# Altium PCB CL-AHU-V1.1.pcbdoc (part 3 of 5)
Units mil, origin at the board's own origin, x right, y up, seen from the top; angles counter-clockwise.
Board outline 12846.15 x 9153.85 mil, 2 copper layers (TopLayer, BottomLayer); 143 components, 181 nets, 607 pads, 3157 vias.
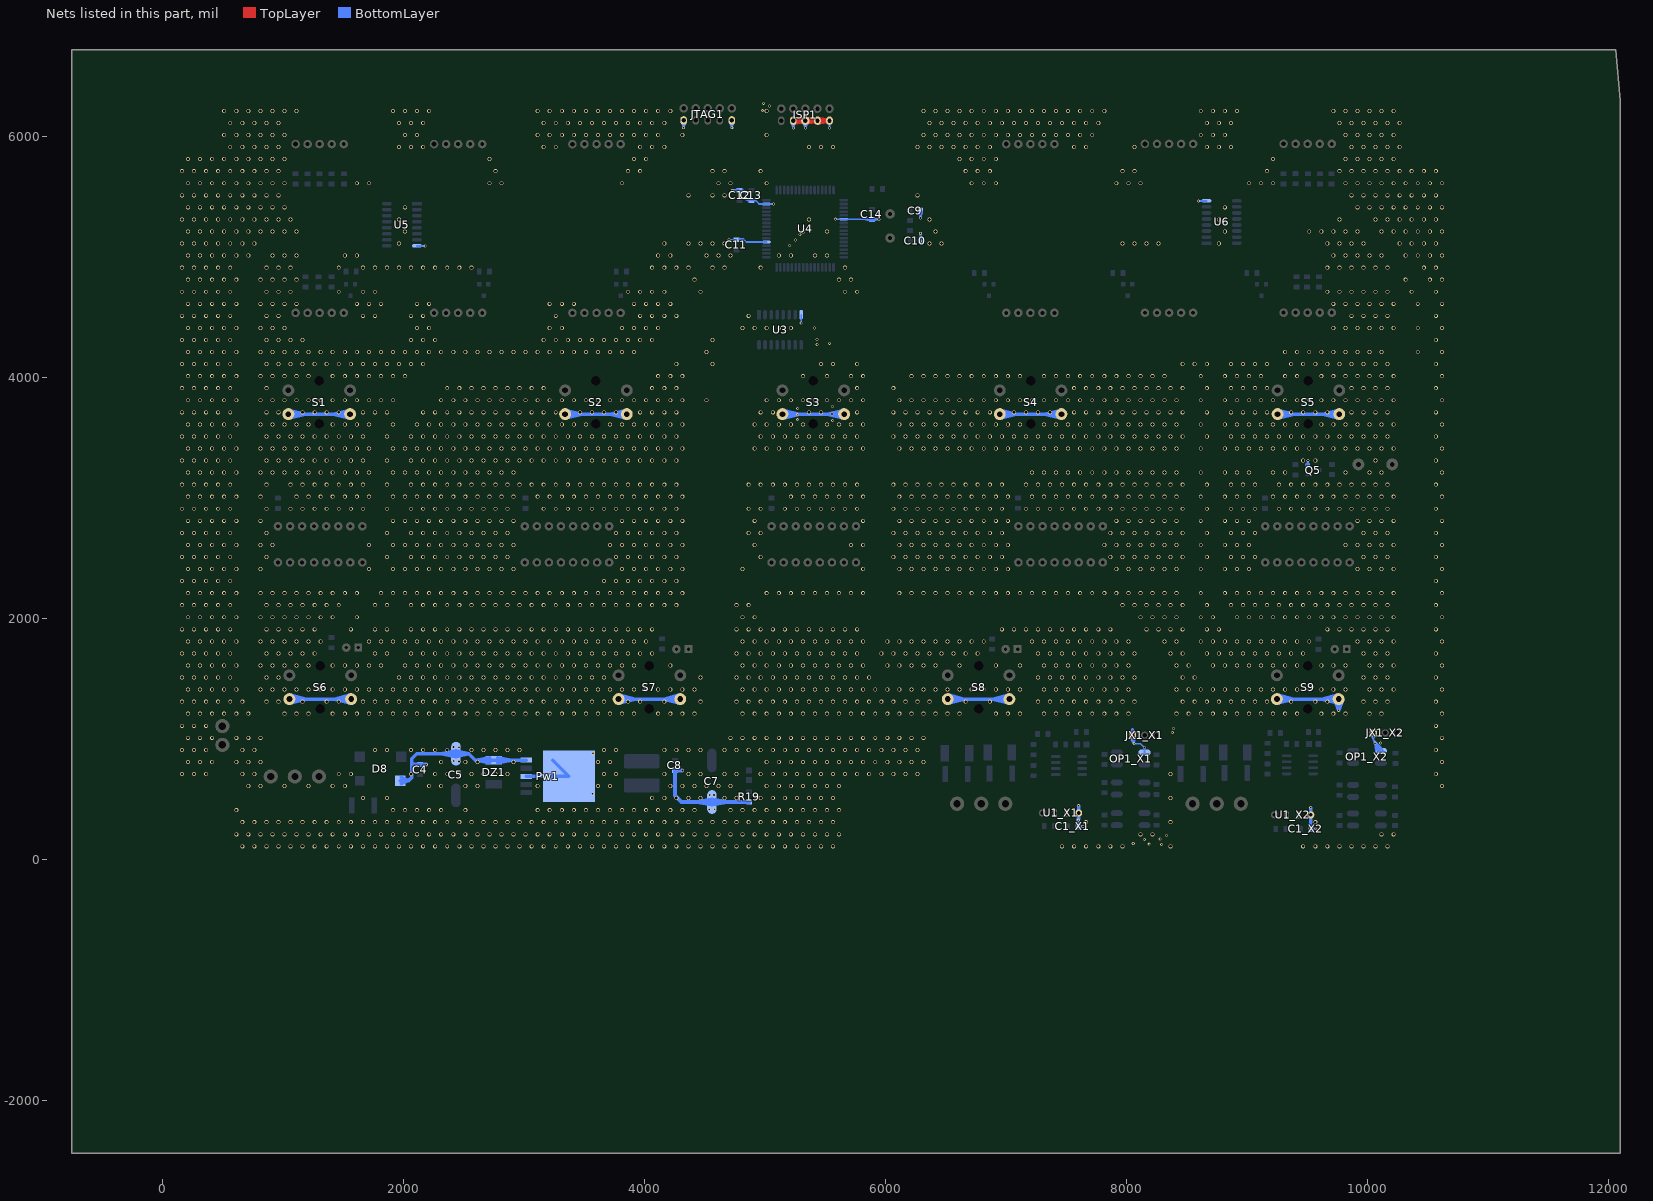
[diagram p3: the nets of this part, all layers, seen from the top]

## Via types
v1: diameter 33/33 (per signal layer), hole 23, TopLayer to BottomLayer, tented both sides, 2996 vias
v2: diameter 25, hole 15, TopLayer to BottomLayer, tented both sides, 138 vias
v3: diameter 24, hole 15, TopLayer to BottomLayer, tented both sides, 16 vias
v4: diameter 35, hole 20, TopLayer to BottomLayer, tented both sides, 3 vias
v5: diameter 30, hole 20, TopLayer to BottomLayer, tented both sides, 2 vias
v6: diameter 35, hole 25, TopLayer to BottomLayer, tented both sides, 2 vias

## Nets (pads, with @x,y where several pads share a name; then routed paths per layer and width w, separated by ;. In a path a pad name is that pad's centre, name@x,y a point inside that pad or via, vN(x,y) a via of type N, cw(c..) or ccw(c..) an arc to the next point about the centre after c; other vN are vias at no path point) (continued)
GND: (continued)
  other v1: 664.55,110.7 764.55,110.7 864.55,110.7 964.55,110.7 1064.55,110.7 1164.55,110.7 1264.55,110.7 1364.55,110.7 1464.55,110.7 1564.55,110.7 1664.55,110.7 1764.55,110.7 1864.55,110.7 1964.55,110.7 2064.55,110.7 2164.55,110.7 2264.55,110.7 2364.55,110.7 2464.55,110.7 2564.55,110.7 2664.55,110.7 2764.55,110.7 2864.55,110.7 2964.55,110.7 3064.55,110.7 3164.55,110.7 3264.55,110.7 3364.55,110.7 3464.55,110.7 3564.55,110.7 3664.55,110.7 3764.55,110.7 3864.55,110.7 3964.55,110.7 4064.55,110.7 4164.55,110.7 4264.55,110.7 4364.55,110.7 4464.55,110.7 4564.55,110.7 4664.55,110.7 4764.55,110.7 4864.55,110.7 4964.55,110.7 5064.55,110.7 5164.55,110.7 5264.55,110.7 5364.55,110.7 5464.55,110.7 5564.55,110.7 7464.55,110.7 7564.55,110.7 7664.55,110.7 7764.55,110.7 7864.55,110.7 7964.55,110.7 8364.55,110.7 9464.55,110.7 9564.55,110.7 9664.55,110.7 9764.55,110.7 9864.55,110.7 9964.55,110.7 10064.55,110.7 10164.55,110.7 614.55,210.7 714.55,210.7 814.55,210.7 914.55,210.7 1014.55,210.7 1114.55,210.7 1214.55,210.7 1314.55,210.7 1414.55,210.7 1514.55,210.7 1614.55,210.7 1714.55,210.7 1814.55,210.7 1914.55,210.7 2014.55,210.7 2114.55,210.7 2214.55,210.7 2314.55,210.7 2414.55,210.7 2514.55,210.7 2614.55,210.7 2714.55,210.7 2814.55,210.7 2914.55,210.7 3014.55,210.7 3114.55,210.7 3214.55,210.7 3314.55,210.7 3414.55,210.7 3514.55,210.7 3614.55,210.7 3714.55,210.7 3814.55,210.7 3914.55,210.7 4014.55,210.7 4114.55,210.7 4214.55,210.7 4314.55,210.7 4414.55,210.7 4514.55,210.7 4614.55,210.7 4714.55,210.7 4814.55,210.7 4914.55,210.7 5014.55,210.7 5114.55,210.7 5214.55,210.7 5314.55,210.7 5414.55,210.7 5514.55,210.7 5614.55,210.7 8114.55,210.7 8214.55,210.7 10114.55,210.7 10214.55,210.7 664.55,310.7 764.55,310.7 864.55,310.7 964.55,310.7 1064.55,310.7 1164.55,310.7 1264.55,310.7 1364.55,310.7 1464.55,310.7 1564.55,310.7 1664.55,310.7 1764.55,310.7 1864.55,310.7 1964.55,310.7 2064.55,310.7 2164.55,310.7 2264.55,310.7 2364.55,310.7 2464.55,310.7 2564.55,310.7 2664.55,310.7 2764.55,310.7 2864.55,310.7 2964.55,310.7 3064.55,310.7 3164.55,310.7 3264.55,310.7 3364.55,310.7 3464.55,310.7 3564.55,310.7 3664.55,310.7 3764.55,310.7 3864.55,310.7 3964.55,310.7 4064.55,310.7 4164.55,310.7 4264.55,310.7 4364.55,310.7 4464.55,310.7 4564.55,310.7 4664.55,310.7 4764.55,310.7 4864.55,310.7 4964.55,310.7 5064.55,310.7 5164.55,310.7 5264.55,310.7 5364.55,310.7 5464.55,310.7 5564.55,310.7 7664.55,310.7 8364.55,310.7 9564.55,310.7 614.55,410.7 1914.55,410.7 2014.55,410.7 2114.55,410.7 2214.55,410.7 2314.55,410.7 2514.55,410.7 3114.55,410.7 3214.55,410.7 3314.55,410.7 3414.55,410.7 3514.55,410.7 3614.55,410.7 3714.55,410.7 3814.55,410.7 3914.55,410.7 4014.55,410.7 4114.55,410.7 4214.55,410.7 4314.55,410.7 4414.55,410.7 4714.55,410.7 4814.55,410.7 4914.55,410.7 5014.55,410.7 5114.55,410.7 5214.55,410.7 5314.55,410.7 5414.55,410.7 5514.55,410.7 5614.55,410.7 1664.55,510.7 1864.55,510.7 4064.55,510.7 4164.55,510.7 4264.55,510.7 4364.55,510.7 4464.55,510.7 4664.55,510.7 4764.55,510.7 4964.55,510.7 5064.55,510.7 5164.55,510.7 5264.55,510.7 5364.55,510.7 5464.55,510.7 5564.55,510.7 8364.55,510.7 714.55,610.7 814.55,610.7 1014.55,610.7 1214.55,610.7 1414.55,610.7 1514.55,610.7 2214.55,610.7 2314.55,610.7 2514.55,610.7 2614.55,610.7 3114.55,610.7 3614.55,610.7 3714.55,610.7 4214.55,610.7 4314.55,610.7 4414.55,610.7 4514.55,610.7 4614.55,610.7 4714.55,610.7 5014.55,610.7 5114.55,610.7 5214.55,610.7 5314.55,610.7 5414.55,610.7 5514.55,610.7 5614.55,610.7 10614.55,610.7 164.55,710.7 264.55,710.7 364.55,710.7 664.55,710.7 764.55,710.7 1464.55,710.7 1564.55,710.7 2064.55,710.7 2264.55,710.7 2364.55,710.7 2464.55,710.7 2564.55,710.7 2664.55,710.7 2764.55,710.7 2864.55,710.7 3664.55,710.7 3764.55,710.7 4164.55,710.7 4364.55,710.7 4464.55,710.7 4664.55,710.7 4764.55,710.7 4964.55,710.7 5064.55,710.7 5164.55,710.7 5264.55,710.7 5364.55,710.7 5464.55,710.7 5564.55,710.7 5664.55,710.7 5764.55,710.7 5864.55,710.7 5964.55,710.7 6064.55,710.7 6164.55,710.7 6264.55,710.7 8364.55,710.7 10564.55,710.7 214.55,810.7 314.55,810.7 414.55,810.7 614.55,810.7 714.55,810.7 814.55,810.7 2314.55,810.7 2514.55,810.7 2614.55,810.7 2914.55,810.7 3614.55,810.7 3714.55,810.7 5014.55,810.7 5114.55,810.7 5214.55,810.7 5314.55,810.7 5414.55,810.7 5514.55,810.7 5614.55,810.7 5714.55,810.7 5814.55,810.7 5914.55,810.7 6014.55,810.7 6114.55,810.7 6214.55,810.7 6314.55,810.7 10614.55,810.7 164.55,910.7 264.55,910.7 364.55,910.7 664.55,910.7 764.55,910.7 1764.55,910.7 1864.55,910.7 2064.55,910.7 2164.55,910.7 2264.55,910.7 2364.55,910.7 2564.55,910.7 2664.55,910.7 2764.55,910.7 2864.55,910.7 2964.55,910.7 3664.55,910.7 3764.55,910.7 4164.55,910.7 4264.55,910.7 4364.55,910.7 4464.55,910.7 4664.55,910.7 4764.55,910.7 4864.55,910.7 4964.55,910.7 5064.55,910.7 5164.55,910.7 5264.55,910.7 5364.55,910.7 5464.55,910.7 5564.55,910.7 5664.55,910.7 5764.55,910.7 5864.55,910.7 5964.55,910.7 6064.55,910.7 6164.55,910.7 6264.55,910.7 10564.55,910.7 214.55,1010.7 314.55,1010.7 414.55,1010.7 614.55,1010.7 714.55,1010.7 814.55,1010.7 4714.55,1010.7 4814.55,1010.7 4914.55,1010.7 5014.55,1010.7 5114.55,1010.7 5214.55,1010.7 5314.55,1010.7 5414.55,1010.7 5514.55,1010.7 5614.55,1010.7 5714.55,1010.7 5814.55,1010.7 5914.55,1010.7 6014.55,1010.7 6114.55,1010.7 6214.55,1010.7 6314.55,1010.7 10614.55,1010.7 164.55,1110.7 264.55,1110.7 364.55,1110.7 10564.55,1110.7 214.55,1210.7 314.55,1210.7 414.55,1210.7 514.55,1210.7 614.55,1210.7 714.55,1210.7 1014.55,1210.7 1114.55,1210.7 1214.55,1210.7 1414.55,1210.7 1514.55,1210.7 1614.55,1210.7 1714.55,1210.7 1814.55,1210.7 1914.55,1210.7 2014.55,1210.7 2114.55,1210.7 2214.55,1210.7 2314.55,1210.7 2414.55,1210.7 2514.55,1210.7 2614.55,1210.7 2714.55,1210.7 2814.55,1210.7 2914.55,1210.7 3014.55,1210.7 3114.55,1210.7 3214.55,1210.7 3314.55,1210.7 3414.55,1210.7 3514.55,1210.7 3614.55,1210.7 3714.55,1210.7 3814.55,1210.7 3914.55,1210.7 4114.55,1210.7 4214.55,1210.7 4314.55,1210.7 4414.55,1210.7 4814.55,1210.7 4914.55,1210.7 5014.55,1210.7 5114.55,1210.7 5214.55,1210.7 5314.55,1210.7 5414.55,1210.7 5514.55,1210.7 5614.55,1210.7 5714.55,1210.7 5814.55,1210.7 5914.55,1210.7 6014.55,1210.7 6114.55,1210.7 6214.55,1210.7 6314.55,1210.7 6414.55,1210.7 6514.55,1210.7 6614.55,1210.7 6914.55,1210.7 7014.55,1210.7 7114.55,1210.7 7314.55,1210.7 7414.55,1210.7 7514.55,1210.7 7614.55,1210.7 7714.55,1210.7 7814.55,1210.7 7914.55,1210.7 8014.55,1210.7 8414.55,1210.7 8514.55,1210.7 8614.55,1210.7 8714.55,1210.7 8814.55,1210.7 8914.55,1210.7 9014.55,1210.7 9114.55,1210.7 9214.55,1210.7 9314.55,1210.7 9414.55,1210.7 9614.55,1210.7 9714.55,1210.7 9814.55,1210.7 10014.55,1210.7 10114.55,1210.7 10614.55,1210.7 164.55,1310.7 264.55,1310.7 364.55,1310.7 464.55,1310.7 564.55,1310.7 664.55,1310.7 864.55,1310.7 964.55,1310.7 1164.55,1310.7 1364.55,1310.7 1464.55,1310.7 1664.55,1310.7 1764.55,1310.7 1864.55,1310.7 1964.55,1310.7 2064.55,1310.7 2164.55,1310.7 2264.55,1310.7 2364.55,1310.7 2464.55,1310.7 2564.55,1310.7 2664.55,1310.7 2764.55,1310.7 2864.55,1310.7 2964.55,1310.7 3064.55,1310.7 3164.55,1310.7 3264.55,1310.7 3364.55,1310.7 3464.55,1310.7 3564.55,1310.7 3664.55,1310.7 3864.55,1310.7 3964.55,1310.7 4164.55,1310.7 4464.55,1310.7 4764.55,1310.7 4864.55,1310.7 4964.55,1310.7 5064.55,1310.7 5164.55,1310.7 5264.55,1310.7 5364.55,1310.7 5464.55,1310.7 5564.55,1310.7 5664.55,1310.7 5764.55,1310.7 5864.55,1310.7 5964.55,1310.7 6064.55,1310.7 6164.55,1310.7 6264.55,1310.7 6364.55,1310.7 6664.55,1310.7 6864.55,1310.7 7264.55,1310.7 7364.55,1310.7 7464.55,1310.7 7564.55,1310.7 7664.55,1310.7 7764.55,1310.7 7864.55,1310.7 7964.55,1310.7 8064.55,1310.7 8464.55,1310.7 8564.55,1310.7 8664.55,1310.7 8764.55,1310.7 8864.55,1310.7 8964.55,1310.7 9064.55,1310.7 9164.55,1310.7 9364.55,1310.7 9564.55,1310.7 9664.55,1310.7 9964.55,1310.7 10064.55,1310.7 10164.55,1310.7 10564.55,1310.7 214.55,1410.7 314.55,1410.7 414.55,1410.7 514.55,1410.7 614.55,1410.7 814.55,1410.7 914.55,1410.7 1014.55,1410.7 1114.55,1410.7 1214.55,1410.7 1314.55,1410.7 1414.55,1410.7 1514.55,1410.7 1614.55,1410.7 1714.55,1410.7 1814.55,1410.7 1914.55,1410.7 2014.55,1410.7 2114.55,1410.7 2214.55,1410.7 2314.55,1410.7 2414.55,1410.7 2514.55,1410.7 2614.55,1410.7 2714.55,1410.7 2814.55,1410.7 2914.55,1410.7 3014.55,1410.7 3114.55,1410.7 3214.55,1410.7 3314.55,1410.7 3414.55,1410.7 3514.55,1410.7 3614.55,1410.7 3714.55,1410.7 3814.55,1410.7 3914.55,1410.7 4014.55,1410.7 4114.55,1410.7 4214.55,1410.7 4314.55,1410.7 4414.55,1410.7 4814.55,1410.7 4914.55,1410.7 5014.55,1410.7 5114.55,1410.7 5214.55,1410.7 5314.55,1410.7 5414.55,1410.7 5514.55,1410.7 5614.55,1410.7 5714.55,1410.7 5814.55,1410.7 5914.55,1410.7 6014.55,1410.7 6114.55,1410.7 6214.55,1410.7 6314.55,1410.7 6414.55,1410.7 6514.55,1410.7 6614.55,1410.7 6714.55,1410.7 6814.55,1410.7 6914.55,1410.7 7014.55,1410.7 7114.55,1410.7 7314.55,1410.7 7414.55,1410.7 7514.55,1410.7 7614.55,1410.7 7714.55,1410.7 7814.55,1410.7 7914.55,1410.7 8014.55,1410.7 8414.55,1410.7 8514.55,1410.7 8614.55,1410.7 8714.55,1410.7 8814.55,1410.7 8914.55,1410.7 9014.55,1410.7 9114.55,1410.7 9214.55,1410.7 9314.55,1410.7 9414.55,1410.7 9514.55,1410.7 9614.55,1410.7 9714.55,1410.7 9814.55,1410.7 10014.55,1410.7 10114.55,1410.7 10214.55,1410.7 10614.55,1410.7 164.55,1510.7 264.55,1510.7 364.55,1510.7 464.55,1510.7 564.55,1510.7 864.55,1510.7 964.55,1510.7 1964.55,1510.7 2064.55,1510.7 2164.55,1510.7 2264.55,1510.7 2364.55,1510.7 2464.55,1510.7 2564.55,1510.7 2664.55,1510.7 2764.55,1510.7 2864.55,1510.7 2964.55,1510.7 3064.55,1510.7 3164.55,1510.7 3264.55,1510.7 3364.55,1510.7 3464.55,1510.7 3564.55,1510.7 3664.55,1510.7 4464.55,1510.7 4764.55,1510.7 4864.55,1510.7 4964.55,1510.7 5064.55,1510.7 5164.55,1510.7 5264.55,1510.7 5364.55,1510.7 5464.55,1510.7 5564.55,1510.7 5664.55,1510.7 5764.55,1510.7 5864.55,1510.7 7264.55,1510.7 7364.55,1510.7 7464.55,1510.7 7564.55,1510.7 7664.55,1510.7 7764.55,1510.7 7864.55,1510.7 7964.55,1510.7 8064.55,1510.7 8464.55,1510.7 8564.55,1510.7 9964.55,1510.7 10064.55,1510.7 10164.55,1510.7 10564.55,1510.7 214.55,1610.7 314.55,1610.7 414.55,1610.7 514.55,1610.7 614.55,1610.7 814.55,1610.7 914.55,1610.7 1014.55,1610.7 1114.55,1610.7 1214.55,1610.7 1414.55,1610.7 1514.55,1610.7 1614.55,1610.7 1714.55,1610.7 1814.55,1610.7 2014.55,1610.7 2114.55,1610.7 2214.55,1610.7 2314.55,1610.7 2414.55,1610.7 2514.55,1610.7 2614.55,1610.7 2714.55,1610.7 2814.55,1610.7 2914.55,1610.7 3014.55,1610.7 3114.55,1610.7 3214.55,1610.7 3314.55,1610.7 3414.55,1610.7 3514.55,1610.7 3614.55,1610.7 3714.55,1610.7 3814.55,1610.7 3914.55,1610.7 4214.55,1610.7 4814.55,1610.7 4914.55,1610.7 5014.55,1610.7 5114.55,1610.7 5214.55,1610.7 5314.55,1610.7 5414.55,1610.7 5514.55,1610.7 5614.55,1610.7 5714.55,1610.7 5814.55,1610.7 6014.55,1610.7 6114.55,1610.7 6214.55,1610.7 6314.55,1610.7 6414.55,1610.7 6614.55,1610.7 6914.55,1610.7 7114.55,1610.7 7314.55,1610.7 7414.55,1610.7 7514.55,1610.7 7614.55,1610.7 7714.55,1610.7 7814.55,1610.7 7914.55,1610.7 8014.55,1610.7 8414.55,1610.7 8514.55,1610.7 8714.55,1610.7 8814.55,1610.7 8914.55,1610.7 9014.55,1610.7 9114.55,1610.7 9214.55,1610.7 9314.55,1610.7 9414.55,1610.7 9614.55,1610.7 9714.55,1610.7 9814.55,1610.7 10014.55,1610.7 10114.55,1610.7 10214.55,1610.7 10614.55,1610.7 164.55,1710.7 264.55,1710.7 364.55,1710.7 464.55,1710.7 564.55,1710.7 864.55,1710.7 964.55,1710.7 1064.55,1710.7 1164.55,1710.7 1264.55,1710.7 1764.55,1710.7 1864.55,1710.7 2064.55,1710.7 2164.55,1710.7 2264.55,1710.7 2364.55,1710.7 2464.55,1710.7 2564.55,1710.7 2664.55,1710.7 2764.55,1710.7 2864.55,1710.7 2964.55,1710.7 3064.55,1710.7 3164.55,1710.7 3264.55,1710.7 3364.55,1710.7 3464.55,1710.7 3564.55,1710.7 3664.55,1710.7 3764.55,1710.7 3864.55,1710.7 3964.55,1710.7 4064.55,1710.7 4764.55,1710.7 4864.55,1710.7 4964.55,1710.7 5064.55,1710.7 5164.55,1710.7 5264.55,1710.7 5364.55,1710.7 5464.55,1710.7 5564.55,1710.7 5664.55,1710.7 5764.55,1710.7 5964.55,1710.7 6064.55,1710.7 6164.55,1710.7 6264.55,1710.7 6364.55,1710.7 6464.55,1710.7 6564.55,1710.7 6664.55,1710.7 6764.55,1710.7 7264.55,1710.7 7364.55,1710.7 7464.55,1710.7 7564.55,1710.7 7664.55,1710.7 7764.55,1710.7 7864.55,1710.7 7964.55,1710.7 8064.55,1710.7 8364.55,1710.7 8464.55,1710.7 8664.55,1710.7 8764.55,1710.7 8864.55,1710.7 8964.55,1710.7 9064.55,1710.7 9164.55,1710.7 9264.55,1710.7 9364.55,1710.7 9464.55,1710.7 9964.55,1710.7 10064.55,1710.7 10164.55,1710.7 10564.55,1710.7 214.55,1810.7 314.55,1810.7 414.55,1810.7 514.55,1810.7 614.55,1810.7 814.55,1810.7 914.55,1810.7 1014.55,1810.7 1114.55,1810.7 1214.55,1810.7 1314.55,1810.7 1714.55,1810.7 1814.55,1810.7 1914.55,1810.7 2014.55,1810.7 2114.55,1810.7 2214.55,1810.7 2314.55,1810.7 2414.55,1810.7 2514.55,1810.7 2614.55,1810.7 2714.55,1810.7 2814.55,1810.7 2914.55,1810.7 3014.55,1810.7 3114.55,1810.7 3214.55,1810.7 3314.55,1810.7 3414.55,1810.7 3514.55,1810.7 3614.55,1810.7 3714.55,1810.7 3814.55,1810.7 3914.55,1810.7 4014.55,1810.7 4814.55,1810.7 4914.55,1810.7 5014.55,1810.7 5114.55,1810.7 5214.55,1810.7 5314.55,1810.7 5414.55,1810.7 5514.55,1810.7 5614.55,1810.7 5714.55,1810.7 5814.55,1810.7 6014.55,1810.7 6114.55,1810.7 6214.55,1810.7 6314.55,1810.7 6414.55,1810.7 6514.55,1810.7 6614.55,1810.7 6714.55,1810.7 6814.55,1810.7 7214.55,1810.7 7314.55,1810.7 7414.55,1810.7 7514.55,1810.7 7614.55,1810.7 7714.55,1810.7 7814.55,1810.7 7914.55,1810.7 8014.55,1810.7 8314.55,1810.7 8414.55,1810.7 8614.55,1810.7 8714.55,1810.7 8814.55,1810.7 8914.55,1810.7 9014.55,1810.7 9114.55,1810.7 9214.55,1810.7 9314.55,1810.7 9414.55,1810.7 9514.55,1810.7 9914.55,1810.7 10014.55,1810.7 10114.55,1810.7 10214.55,1810.7 10614.55,1810.7 164.55,1910.7 264.55,1910.7 364.55,1910.7 464.55,1910.7 564.55,1910.7 864.55,1910.7 964.55,1910.7 1064.55,1910.7 1164.55,1910.7 1264.55,1910.7 1564.55,1910.7 1764.55,1910.7 1864.55,1910.7 2064.55,1910.7 2164.55,1910.7 2264.55,1910.7 2364.55,1910.7 2464.55,1910.7 2564.55,1910.7 2664.55,1910.7 2764.55,1910.7 2864.55,1910.7 2964.55,1910.7 3064.55,1910.7 3164.55,1910.7 3264.55,1910.7 3364.55,1910.7 3464.55,1910.7 3564.55,1910.7 3664.55,1910.7 3764.55,1910.7 3864.55,1910.7 3964.55,1910.7 4064.55,1910.7 4764.55,1910.7 4864.55,1910.7 4964.55,1910.7 5064.55,1910.7 5164.55,1910.7 5264.55,1910.7 5364.55,1910.7 5464.55,1910.7 5564.55,1910.7 5664.55,1910.7 5764.55,1910.7 6964.55,1910.7 7064.55,1910.7 7164.55,1910.7 7264.55,1910.7 7364.55,1910.7 7464.55,1910.7 7564.55,1910.7 7664.55,1910.7 7764.55,1910.7 7864.55,1910.7 8164.55,1910.7 8264.55,1910.7 8364.55,1910.7 8464.55,1910.7 8664.55,1910.7 8764.55,1910.7 9664.55,1910.7 9764.55,1910.7 9864.55,1910.7 9964.55,1910.7 10064.55,1910.7 10164.55,1910.7 10564.55,1910.7 214.55,2010.7 314.55,2010.7 414.55,2010.7 514.55,2010.7 614.55,2010.7 814.55,2010.7 914.55,2010.7 1014.55,2010.7 1114.55,2010.7 1214.55,2010.7 1314.55,2010.7 1414.55,2010.7 1614.55,2010.7 4814.55,2010.7 4914.55,2010.7 8114.55,2010.7 8214.55,2010.7 8314.55,2010.7 8414.55,2010.7 8614.55,2010.7 8714.55,2010.7 8914.55,2010.7 9014.55,2010.7 9114.55,2010.7 9214.55,2010.7 9314.55,2010.7 9414.55,2010.7 9514.55,2010.7 9614.55,2010.7 9714.55,2010.7 9814.55,2010.7 9914.55,2010.7 10014.55,2010.7 10114.55,2010.7 10214.55,2010.7 10614.55,2010.7 164.55,2110.7 264.55,2110.7 364.55,2110.7 464.55,2110.7 564.55,2110.7 864.55,2110.7 964.55,2110.7 1064.55,2110.7 1164.55,2110.7 1264.55,2110.7 1364.55,2110.7 1464.55,2110.7 1764.55,2110.7 1864.55,2110.7 2064.55,2110.7 2164.55,2110.7 2264.55,2110.7 2364.55,2110.7 2464.55,2110.7 2564.55,2110.7 2664.55,2110.7 2764.55,2110.7 2864.55,2110.7 2964.55,2110.7 3064.55,2110.7 3164.55,2110.7 3264.55,2110.7 3364.55,2110.7 3464.55,2110.7 3564.55,2110.7 3664.55,2110.7 3764.55,2110.7 3864.55,2110.7 3964.55,2110.7 4064.55,2110.7 4164.55,2110.7 4264.55,2110.7 4764.55,2110.7 4864.55,2110.7 7964.55,2110.7 8064.55,2110.7 8164.55,2110.7 8264.55,2110.7 8364.55,2110.7 8464.55,2110.7 8664.55,2110.7 8864.55,2110.7 8964.55,2110.7 9064.55,2110.7 9164.55,2110.7 9264.55,2110.7 9364.55,2110.7 9464.55,2110.7 9564.55,2110.7 9664.55,2110.7 9764.55,2110.7 9864.55,2110.7 9964.55,2110.7 10064.55,2110.7 10164.55,2110.7 10564.55,2110.7 214.55,2210.7 314.55,2210.7 414.55,2210.7 514.55,2210.7 614.55,2210.7 814.55,2210.7 914.55,2210.7 1014.55,2210.7 1114.55,2210.7 1214.55,2210.7 1314.55,2210.7 1414.55,2210.7 1514.55,2210.7 1614.55,2210.7 1814.55,2210.7 1914.55,2210.7 2014.55,2210.7 2114.55,2210.7 2214.55,2210.7 2314.55,2210.7 2414.55,2210.7 2514.55,2210.7 2614.55,2210.7 2714.55,2210.7 2814.55,2210.7 2914.55,2210.7 3014.55,2210.7 3114.55,2210.7 3214.55,2210.7 3314.55,2210.7 3414.55,2210.7 3514.55,2210.7 3614.55,2210.7 3714.55,2210.7 3814.55,2210.7 3914.55,2210.7 4014.55,2210.7 4114.55,2210.7 4214.55,2210.7 4314.55,2210.7 5014.55,2210.7 5114.55,2210.7 5214.55,2210.7 5314.55,2210.7 5414.55,2210.7 5514.55,2210.7 5614.55,2210.7 5714.55,2210.7 5814.55,2210.7 6114.55,2210.7 6214.55,2210.7 6314.55,2210.7 6414.55,2210.7 6514.55,2210.7 6614.55,2210.7 6714.55,2210.7 6814.55,2210.7 6914.55,2210.7 7014.55,2210.7 7114.55,2210.7 7214.55,2210.7 7314.55,2210.7 7414.55,2210.7 7514.55,2210.7 7614.55,2210.7 7714.55,2210.7 7814.55,2210.7 7914.55,2210.7 8014.55,2210.7 8114.55,2210.7 8214.55,2210.7 8314.55,2210.7 8414.55,2210.7 8614.55,2210.7 8814.55,2210.7 8914.55,2210.7 9014.55,2210.7 9114.55,2210.7 9214.55,2210.7 9314.55,2210.7 9414.55,2210.7 9514.55,2210.7 9614.55,2210.7 9714.55,2210.7 9814.55,2210.7 9914.55,2210.7 10014.55,2210.7 10114.55,2210.7 10214.55,2210.7 10614.55,2210.7 164.55,2310.7 264.55,2310.7 364.55,2310.7 464.55,2310.7 564.55,2310.7 3664.55,2310.7 3764.55,2310.7 3864.55,2310.7 3964.55,2310.7 4064.55,2310.7 4164.55,2310.7 4264.55,2310.7 10564.55,2310.7 214.55,2410.7 314.55,2410.7 414.55,2410.7 514.55,2410.7 614.55,2410.7 814.55,2410.7 1714.55,2410.7 1914.55,2410.7 2014.55,2410.7 2114.55,2410.7 2214.55,2410.7 2314.55,2410.7 2414.55,2410.7 2514.55,2410.7 2614.55,2410.7 2714.55,2410.7 2814.55,2410.7 2914.55,2410.7 3814.55,2410.7 3914.55,2410.7 4014.55,2410.7 4114.55,2410.7 4214.55,2410.7 4314.55,2410.7 4814.55,2410.7 5814.55,2410.7 6114.55,2410.7 6214.55,2410.7 6314.55,2410.7 6414.55,2410.7 6514.55,2410.7 6614.55,2410.7 6714.55,2410.7 6814.55,2410.7 6914.55,2410.7 7014.55,2410.7 7914.55,2410.7 8014.55,2410.7 8114.55,2410.7 8214.55,2410.7 8314.55,2410.7 8414.55,2410.7 8614.55,2410.7 8814.55,2410.7 8914.55,2410.7 9014.55,2410.7 9914.55,2410.7 10014.55,2410.7 10114.55,2410.7 10214.55,2410.7 10614.55,2410.7 164.55,2510.7 264.55,2510.7 364.55,2510.7 464.55,2510.7 564.55,2510.7 864.55,2510.7 1864.55,2510.7 2064.55,2510.7 2164.55,2510.7 2264.55,2510.7 2364.55,2510.7 2464.55,2510.7 2564.55,2510.7 2664.55,2510.7 2764.55,2510.7 2864.55,2510.7 3764.55,2510.7 3864.55,2510.7 3964.55,2510.7 4064.55,2510.7 4164.55,2510.7 4264.55,2510.7 4964.55,2510.7 6064.55,2510.7 6164.55,2510.7 6264.55,2510.7 6364.55,2510.7 6464.55,2510.7 6564.55,2510.7 6664.55,2510.7 6764.55,2510.7 6864.55,2510.7 6964.55,2510.7 7864.55,2510.7 7964.55,2510.7 8064.55,2510.7 8164.55,2510.7 8264.55,2510.7 8364.55,2510.7 8464.55,2510.7 8664.55,2510.7 8864.55,2510.7 8964.55,2510.7 9064.55,2510.7 9964.55,2510.7 10064.55,2510.7 10164.55,2510.7 10564.55,2510.7 214.55,2610.7 314.55,2610.7 414.55,2610.7 514.55,2610.7 614.55,2610.7 814.55,2610.7 914.55,2610.7 1714.55,2610.7 1914.55,2610.7 2014.55,2610.7 2114.55,2610.7 2214.55,2610.7 2314.55,2610.7 2414.55,2610.7 2514.55,2610.7 2614.55,2610.7 2714.55,2610.7 2814.55,2610.7 2914.55,2610.7 3714.55,2610.7 3814.55,2610.7 3914.55,2610.7 4014.55,2610.7 4114.55,2610.7 4214.55,2610.7 4314.55,2610.7 4914.55,2610.7 5714.55,2610.7 5814.55,2610.7 6114.55,2610.7 6214.55,2610.7 6314.55,2610.7 6414.55,2610.7 6514.55,2610.7 6614.55,2610.7 6714.55,2610.7 6814.55,2610.7 6914.55,2610.7 7014.55,2610.7 7814.55,2610.7 7914.55,2610.7 8014.55,2610.7 8114.55,2610.7 8214.55,2610.7 8314.55,2610.7 8414.55,2610.7 8614.55,2610.7 8814.55,2610.7 8914.55,2610.7 9014.55,2610.7 9814.55,2610.7 9914.55,2610.7 10014.55,2610.7 10114.55,2610.7 10214.55,2610.7 10614.55,2610.7 164.55,2710.7 264.55,2710.7 364.55,2710.7 464.55,2710.7 564.55,2710.7 864.55,2710.7 1864.55,2710.7 2064.55,2710.7 2164.55,2710.7 